# KiCad board Duet3_MB_6HC.kicad_pcb (continued)
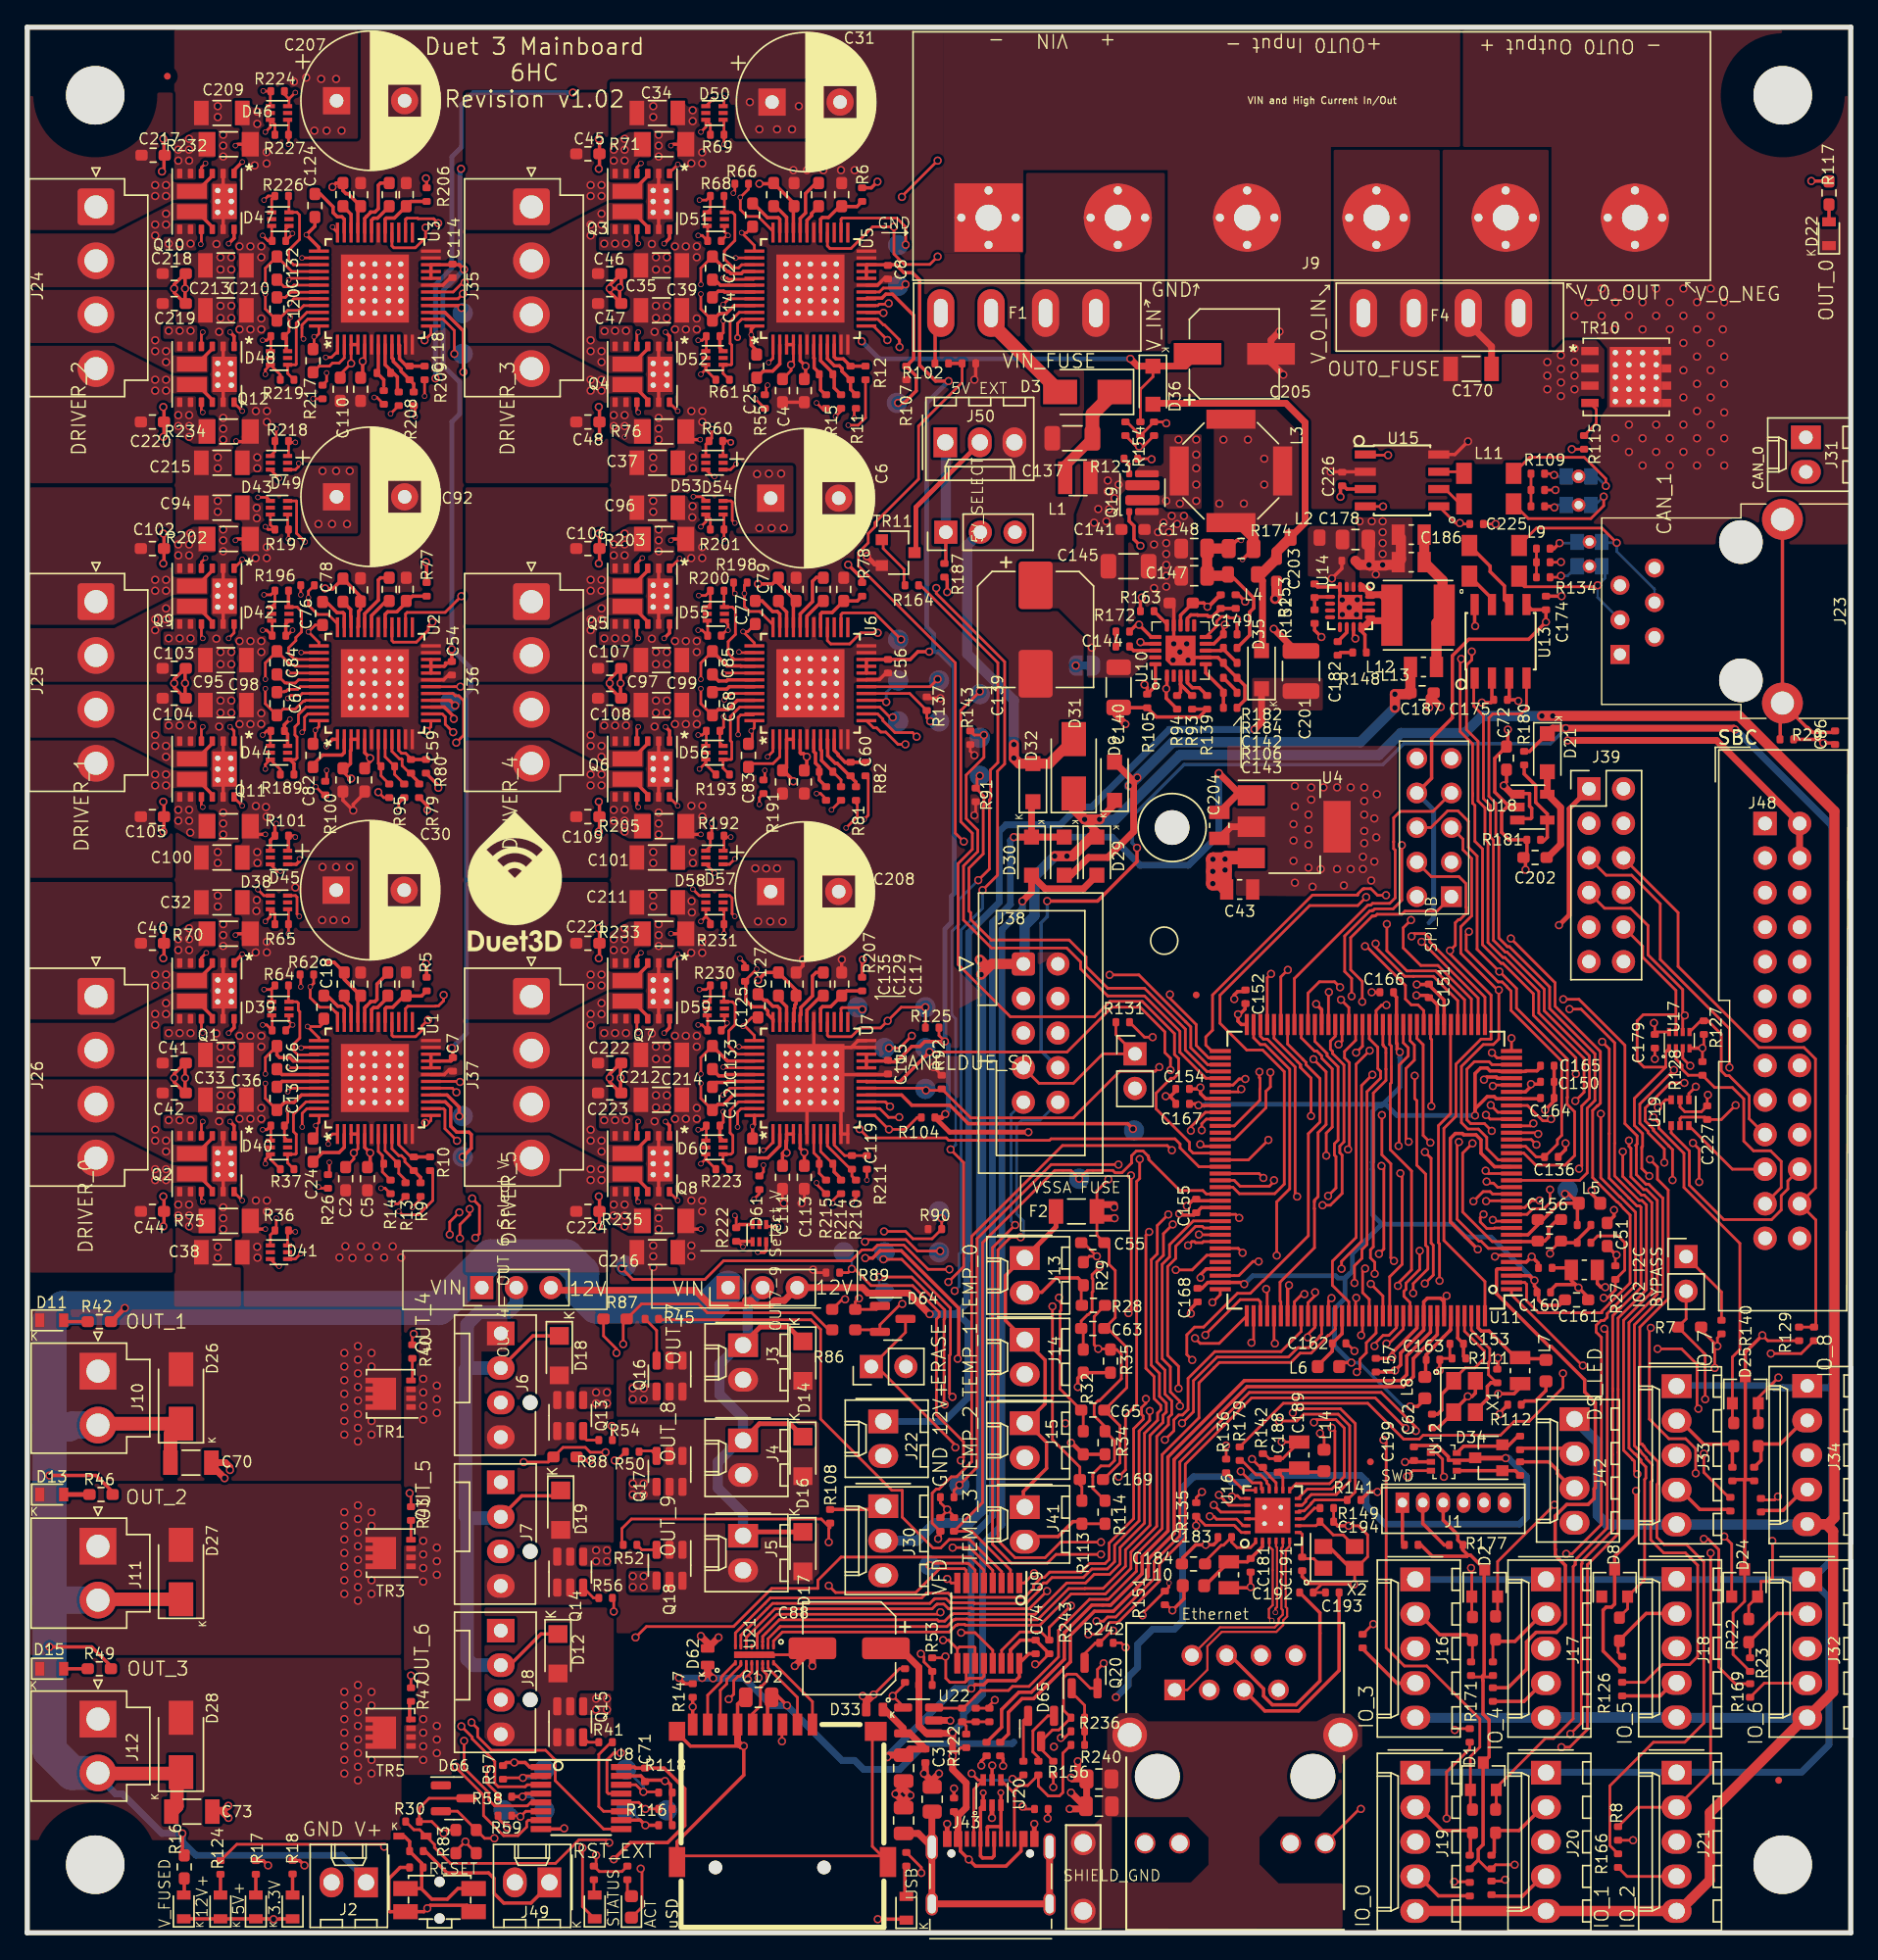
[diagram p0: board, top side]
## Routing (per net, layer and track width the routed paths; a pad name or vN(x,y) marks a point on that pad's centre or on a via; arc(x,y) is an arc through that point) (continued)
PS_ON_BUFF: length 97.4
  Top w0.2: v1(69.89,77.33) 70.7,78.15 70.7,83.23 70.8,83.33 70.8,84.27 70.78,84.28 70.78,85.43 71.33,85.97 71.33,93.31 65.64,99 R164.2 ; v1(67.69,47.81) 68.81,48.93 68.81,56.59 v1(67.85,57.55) ; U9.13 70.95,20.75 69.65,22.05 v1(68.62,22.05)
  In1.Cu w0.2: v1(67.69,47.81) 67.51,47.63 67.51,45.7 65.2,43.39 61.52,43.39 60.58,42.45 60.58,31.09 61.5,30.17 61.5,25.61 66.21,20.9 67.65,20.9 68.62,21.87 v1(68.62,22.05)
  Bottom w0.2: v1(67.85,57.55) 67.88,57.55 68.23,57.9 68.23,67.15 67.95,67.43 67.95,73.58 68.45,74.08 68.45,75.9 v1(69.89,77.33)
PS_ON_SW: length 10.1
  Top w0.35: 70.06,109.5 65.3,104.74 65.3,101.5 TR11.3
QMOSI: length 41.4
  Top w0.2: U11.42 104.59,66.7 104.59,60.19 103.7,59.3 103.7,50.7 103.78,50.62 v1(103.78,47.9) ; v1(104.1,33.5) 104,33.6 104,34.8 103.55,35.25 U12.1
  In1.Cu w0.2: v1(104.1,33.5) 105.48,33.5 109.15,37.18 109.15,42.39 107.27,44.27 107.27,44.73 104.48,47.52 104.02,47.52 103.78,47.77 v1(103.78,47.9)
QSCK: length 37.9
  Top w0.2: v1(101.4,33.53) 101.82,33.95 U12.3 ; v1(100.72,47.53) 100.72,47.7 101.72,48.7 101.72,55.97 100.16,57.53 100.16,62.38 100.24,62.46 100.24,63.46 100.24,63.62 100.24,63.62 100.24,65.14 100.12,65.26 U11.51
  In1.Cu w0.2: v1(101.4,33.53) 102.4,34.53 102.4,35.46 103.06,36.13 103.06,44.73 100.72,47.07 v1(100.72,47.53)
RESET: length 157.5
  Top w0.2: v1(100.43,49.36) 100.2,49.59 100.2,56.5 99.54,57.16 v1(99.54,60.07) ; v1(86.3,58.96) 86.3,59.44 86.64,59.78 U11.83 ; v1(80.2,33.5) 80.7,34 80.7,37.97 81.52,38.79 81.52,55.2 81.75,55.42 v1(81.75,56.84) ; R30.1 28.41,7.57 28.84,7.57 29.92,6.49 29.92,6.27 31.09,5.1 38.82,5.1 40.55,6.83 42.55,6.83 v1(42.76,6.62)
  In1.Cu w0.2: v1(100.43,49.36) 100.57,49.5 103.06,49.5 107.68,44.88 107.68,44.58 109.55,42.71 109.55,34.1 J1.5 J1.4 ; v1(81.75,56.84) 83.41,58.5 84.05,58.5 84.16,58.61 84.62,58.61 84.9,58.33 85.75,58.33 86.3,58.88 v1(86.3,58.96) 87.04,59.7 91.8,59.7 92.14,59.36 92.54,59.36 93.84,60.66 94.97,60.66 95.61,60.02 99.49,60.02 v1(99.54,60.07) ; v1(42.76,6.62) 43.9,6.62 44.55,5.97 48.42,5.97 48.9,6.45 51.32,6.45 51.33,6.44 52.65,6.44 59.81,13.6 59.81,17.87 61.09,19.15 68,19.15 71.45,22.6 77.24,22.6 77.56,22.92 77.61,22.92 78.3,23.61 78.3,24.41 77.2,25.5 77.2,25.7 77.1,25.8 77.1,30.4 v1(80.2,33.5)
RESET_EXT: length 11.6
  Top w0.25: 37.9,3.3 37.9,3.07 37.02,2.19 35.02,2.19 34.3,2.9 34.3,4 33.9,4.4 30.85,4.4 29.25,6 R31.1
RXD0: length 73
  Top w0.2: J28.6 103.15,81.2 104.38,82.43 105.13,82.43 105.9,81.66 105.9,79.75 106.54,79.11 106.54,72.25 v1(108.17,70.62) 108.19,70.62 109.44,69.37 109.44,67.93 113.18,64.19 113.18,61.38 113.16,61.36 113.16,60.87 113.7,60.32 113.7,57.1 113.01,56.4 110.85,56.4 109.97,57.28 U11.21
  In1.Cu w0.2: J38.6 77.27,66.1 82.92,71.75 97.51,71.75 97.85,71.42 100.79,71.42 100.8,71.41 107.38,71.41 v1(108.17,70.62)
RXD1: length 51.7
  Top w0.25: U11.32 108.04,62.78 107.95,62.87 107.24,62.87 v1(107.04,62.67) ; v1(81.25,59.06) 80.86,59.45 69.15,59.45 67.8,60.8 65,60.8 64.25,61.55 U7.16
  In1.Cu w0.25: v1(81.25,59.06) 81.25,59.98 84.03,62.76 87.08,62.76 88.47,61.36 89.82,61.36 90.01,61.56 105.93,61.56 v1(107.04,62.67)
SBC_3.3V: length 7.5
  Top w0.2: U19.5 121.45,59.82 121.55,59.92 123.28,59.92 C227.1 124.49,59.75 v1(125.54,60.8)
  In1.Cu w0.2: J48.17 125.92,61.18 v1(125.54,60.8)
SCK0: length 71.5
  Top w0.2: U11.144 107.12,47.85 104.1,50.86 104.1,59.1 104.99,59.99 104.99,63.82 106.83,65.66 107.57,65.66 107.57,68.89 104.55,71.91 v1(104.55,72.16) 104.94,72.55 104.94,74.21 105.17,74.44 105.28,74.44 105.74,74.9 105.74,75.32 105.72,75.34 105.72,77.08 105.21,77.6 103.17,77.6 J28.4
  In1.Cu w0.2: J38.4 79.26,72.16 97.67,72.16 98.01,71.82 100.95,71.82 100.96,71.81 104.2,71.81 v1(104.55,72.16)
SCK1: length 235.2
  Top w0.2: v1(64.1,116.5) 64.1,117.02 63,118.13 62.92,118.13 62.5,118.55 U5.14 ; U1.14 30.6,60.55 30.7,60.45 30.7,59.07 v1(31.58,58.19) ; U11.46 102.62,67.76 102.2,68.17 101.7,68.17 101.27,68.6 101.27,69.61 98.4,72.48 v1(98.31,72.48) ; U7.14 62.65,60.55 63.29,59.91 64.06,59.91 v1(64.08,59.92) ; U2.14 30.5,89.55 30.72,89.33 30.72,88.78 v1(31.3,88.21) ; v1(31.39,116) 31.39,117.72 30.55,118.55 U3.14 ; U6.14 62.49,89.55 62.87,89.16 62.87,89.06 63.76,88.18 65.06,88.18 v1(65.36,87.88)
  In1.Cu w0.2: v1(31.3,88.21) 31.3,88.4 31.4,88.5 ; 31.4,88.5 30.85,87.95 30.85,87.11 33.97,83.99 33.97,60.58 v1(31.58,58.19) 31.91,58.19 32.66,57.44 32.66,56.82 31.08,55.24 31.08,52.53 31.45,52.16 40.26,52.16 42.6,49.81 44.1,49.81 46.59,47.32 48.96,47.32 50.32,48.68 54.87,48.68 56.38,50.19 58.79,50.19 59.62,51.02 59.78,51.02 62.65,53.89 62.65,59.35 63.22,59.92 v1(64.08,59.92) 64.09,59.94 64.09,65.99 64.73,66.62 64.73,73.1 65.27,73.64 ; 31.4,88.5 31.66,88.5 32.12,88.96 32.12,90.55 31.79,90.87 31.5,90.87 30.52,91.85 30.52,94.62 30.9,95 30.9,98.4 33.6,101.1 33.6,113.97 31.57,116 v1(31.39,116) ; v1(64.1,116.5) 64.1,113.64 63.4,112.94 63.4,102.19 63.49,102.09 63.49,92.03 65.54,89.99 65.54,88.05 v1(65.36,87.88) 65.27,87.79 65.27,73.64 ; v1(98.31,72.48) 98.19,72.6 97.12,72.6 97.03,72.68 97.02,72.68 97.01,72.69 66.23,72.69 65.27,73.64
SD_CD: length 72.1
  Top w0.2: U11.129 99.62,46.79 v1(98.73,47.67) ; v1(67.1,23.55) 66.95,23.4 55.1,23.4 53.64,21.94 53.64,21.7 53.64,21.7 U21.4
  In1.Cu w0.2: v1(98.73,47.67) 98.6,47.67 97.08,49.19 97.08,49.38 96.15,49.38 95.45,48.68 89.07,48.68 87.5,47.11 85.59,47.11 77.98,39.5 72.91,39.5 72.15,40.26 67.89,40.26 65.6,37.97 65.6,25.05 v1(67.1,23.55)
SPI1_DATA_RDY: length 49.9
  Top w0.2: U19.3 120.39,61.2 v1(119.83,60.64) ; U11.7 107.37,50.28 106.84,50.81 106.68,50.81 105.07,52.42 105.07,57.97 v1(105.2,58.1)
  In1.Cu w0.2: v1(105.2,58.1) 106.58,59.48 107.3,59.48 107.31,59.49 107.44,59.49 107.48,59.53 109.76,59.53 111.28,61.05 112.07,61.05 112.62,60.5 114.4,60.5 114.7,60.8 119.67,60.8 v1(119.83,60.64) 119.83,63.24 120.77,64.18 120.77,77.85 117.81,80.81
SPI1_DATA_RDY_BUFF: length 16.6
  Top w0.2: U19.4 120.8,58.78 122.14,57.44 122.14,54.92 124.67,52.4 128.18,52.4 128.89,53.1 128.89,54.16 129.38,54.65 129.38,55.24 J48.22
SPI1_MISO: length 47
  Top w0.2: v1(122.4,58.03) 122.86,57.57 v1(122.86,55.16) ; v1(125.08,63.57) 125.08,66.43 120,71.51 120,75.6 117.9,77.7 116.02,77.7 114.76,78.96 ; U19.1 122.1,61.65 v1(122.61,62.16) ; U11.13 110.04,53.28 110.56,53.8 v1(111.14,53.8)
  In1.Cu w0.2: v1(125.08,63.57) 123.67,62.16 v1(122.61,62.16) 122.4,61.95 v1(122.4,58.03) ; v1(111.14,53.8) 111.34,53.6 116.25,53.6 116.48,53.83 121.53,53.83 v1(122.86,55.16)
SPI1_MISO_BUFF: length 6.9
  Top w0.2: U19.6 125.3,56.1 J48.21
SPI1_MOSI: length 11.9
  Top w0.2: U17.5 122.97,67 R127.1 123.5,67 124.48,66.02 124.48,63.32 124.83,62.97 125.07,62.97 126.54,61.5 126.54,59.8 J48.19
SPI1_MOSI_BUFF: length 51.1
  Top w0.2: v1(121.77,62.44) 120.74,62.44 118.9,60.6 118.9,59.64 119.5,59.04 119.5,58.94 120.9,57.54 v1(120.9,55.3) ; v1(122.2,63.7) 121.65,64.25 U17.3 ; v1(111.9,54.6) 111.9,53.64 111.46,53.2 110.63,53.2 110.21,52.78 U11.12
  In1.Cu w0.2: v1(120.9,55.3) 120.48,54.88 115.45,54.88 115.2,55.13 114.7,55.13 114.45,54.88 112.18,54.88 v1(111.9,54.6) ; 114.76,81.5 116.06,82.8 117.98,82.8 122.4,78.38 122.4,63.9 v1(122.2,63.7) 122.2,62.87 v1(121.77,62.44)
SPI1_NPCS0: length 44.4
  Top w0.2: 117.3,78.96 121.31,74.95 121.31,71 127.26,65.04 130.56,65.04 131.4,64.2 131.4,54.72 J48.24 131.43,52.37 131.43,44.63 R239.1 R129.2
SPI1_SPCK: length 17.2
  Top w0.2: J48.23 128.89,54.75 128.89,56.67 128.11,57.45 126.85,57.45 126.14,58.16 126.14,61.26 125.3,62.1 124,62.1 R128.1 122.05,63 121.6,63.45 121.6,63.73 121.15,64.19 U17.2
SPI1_SPCK_BUFF: length 59.3
  Top w0.2: 114.76,76.42 115.91,75.27 117.83,75.27 119.1,74 119.1,71.84 121.65,69.3 121.65,67.35 ; U17.6 121.65,67.35 ; 121.65,67.35 121.75,67.35 v1(121.8,67.4) ; v1(120.3,56.59) 120.3,57.58 119.1,58.78 119.1,58.88 118.5,59.48 118.5,60.89 v1(121,63.39) ; v1(100.9,55.8) 101.03,55.67 101.03,49.11 100.12,48.2 U11.130
  In1.Cu w0.2: v1(100.9,55.8) 101.1,56 105.6,56 106.7,57.1 107.6,57.1 108.6,56.1 110.5,56.1 110.6,56.2 113.22,56.2 113.82,56.8 114.7,56.8 115.3,56.2 119.91,56.2 v1(120.3,56.59) ; v1(121,63.39) 121.8,64.19 v1(121.8,67.4)
spi1cs0: length 38.3
  Top w0.2: U11.133 101.62,46.31 101.16,46.76 101.16,47.12 101.32,47.28 101.32,47.73 102.32,48.73 v1(102.32,50.1) ; R239.2 130.35,42.55 v1(128.12,42.55)
  In1.Cu w0.2: v1(102.32,50.1) 102.52,49.9 103.23,49.9 107.85,45.28 108.08,45.05 108.08,44.75 110.53,42.3 127.87,42.3 v1(128.12,42.55)
SWCLK: length 144.7
  Top w0.2: D63.1 45.17,1.89 45.17,4.62 v1(45.08,4.71) ; U11.89 89.73,56.78 v1(91.2,58.25) ; v1(101.27,37.08) 99.05,39.3 89.97,39.3 85.1,34.43 85.1,29 83.2,27.1 83.2,25.85 80.15,22.8 79.55,22.8 78.68,21.92 v1(77.98,21.92) ; v1(102.7,47.7) 103.32,48.32 103.32,50.51 103.16,50.67 103.16,56.91 v1(102.71,57.36)
  Top w0.25: J1.2 102.55,30.06 104.12,28.49 104.52,28.49
  In1.Cu w0.2: v1(91.2,58.25) 91.4,58.06 93.39,58.06 94.33,59 101.47,59 102.38,58.09 102.38,57.69 v1(102.71,57.36) ; v1(45.08,4.71) 48.29,4.71 49.23,5.65 50.99,5.65 51.17,5.47 52.81,5.47 60.61,13.27 60.61,17.49 61.48,18.35 68.33,18.35 71.78,21.8 77.85,21.8 v1(77.98,21.92) ; v1(102.7,47.7) 102.7,46.8 106.99,42.51 106.99,35.58 104.78,35.58 103.25,34.05 103.25,32.05 102.8,31.6 J1.2 102.55,31.15 101.6,30.2 100.6,30.2 100.25,30.55 100.25,35.12 101.27,36.14 v1(101.27,37.08)
SWDIO: length 148.6
  Top w0.2: v1(89.21,61.99) 89.01,61.78 U11.79 ; v1(101.84,46.99) 101.84,47.69 102.92,48.77 102.92,50.35 102.76,50.51 102.76,55.74 102.11,56.39 102.11,61.14 101.96,61.29 v1(101.96,62.96) ; D7.1 40.8,1.93 v1(40.8,6.23) ; v1(78.57,22.89) 79.08,22.89 79.39,23.2 79.99,23.2 82.8,26.01 82.8,27.27 84.7,29.16 84.7,34.59 89.8,39.7 99.5,39.7 102.04,37.16 v1(102.04,36.87)
  Top w0.25: 101.22,28.5 101.05,28.66 J1.1
  In1.Cu w0.2: J1.1 101.05,31.85 ; 101.05,31.85 102.8,33.6 102.8,35.3 105.24,37.74 105.24,43.2 101.84,46.59 v1(101.84,46.99) ; 101.05,31.85 100.65,32.25 100.65,34.96 102.04,36.35 v1(102.04,36.87) ; v1(78.57,22.89) 78.15,22.89 77.78,22.52 77.73,22.52 77.4,22.2 71.61,22.2 68.17,18.75 61.31,18.75 60.21,17.65 60.21,13.44 52.82,6.04 51.16,6.04 51.16,6.05 49.06,6.05 48.57,5.55 43.85,5.55 43.38,6.02 42.33,6.02 42.05,6.3 40.87,6.3 v1(40.8,6.23) ; v1(101.96,62.96) 101.03,62.04 99.1,62.04 99.05,62 96.18,62 95.63,62.55 93.01,62.55 92.47,62.01 89.23,62.01 v1(89.21,61.99)
TEMP_0: length 36.3
  Top w0.2: U11.18 107.37,55.78 v1(107.17,55.99) ; 77.42,50.7 77.6,50.7 v1(78.6,49.7) 78.04,49.7 R29.2
  In1.Cu w0.2: v1(107.17,55.99) 106.81,55.99 105.97,55.14 101.65,55.14 101.31,54.8 100.39,54.8 100.05,55.14 92.4,55.14 91.95,54.69 90.13,54.69 89.95,54.87 84.4,54.87 79.23,49.7 v1(78.6,49.7)
TEMP_1: length 40.2
  Top w0.2: v1(107.24,55.19) 107.35,55.08 107.75,55.08 108.04,54.78 U11.16 ; v1(78.8,48.9) 78.25,48.35 78.25,48.09 78.31,48.03 78.31,47.11 78.25,47.05 78.25,45.69 77.96,45.4 77.91,45.4 77.45,44.94 C63.1 77.6,44.25 R32.2
  In1.Cu w0.2: v1(107.24,55.19) 106.58,55.19 106.13,54.74 101.82,54.74 101.48,54.4 100.22,54.4 99.88,54.74 92.57,54.74 92.12,54.29 89.96,54.29 89.83,54.42 84.52,54.42 81.84,51.74 81.84,51.65 79.09,48.9 v1(78.8,48.9)
TEMP_2: length 47.5
  Top w0.2: U11.15 107.67,54.28 107.5,54.45 106.98,54.45 v1(106.27,53.74) ; 77.6,36.9 77.6,38.25 75.9,39.95 75.9,45.66 75.94,45.7 75.94,45.74 75.96,45.76 75.96,46.28 75.9,46.34 75.9,46.58 v1(75.82,46.66)
  In1.Cu w0.2: v1(75.82,46.66) 79.74,46.66 82.98,49.9 85.55,49.9 87.57,51.92 89.33,51.92 89.59,52.18 95.93,52.18 97.65,53.9 99.59,53.9 99.89,53.6 101.81,53.6 102.11,53.9 106.11,53.9 v1(106.27,53.74)
TEMP_3: length 52.7
  Top w0.2: R113.2 77.5,32.77 77.35,32.92 C169.1 77.35,34.22 75.34,36.23 v1(75.34,46.02) ; v1(107.2,53.75) 107.23,53.78 U11.14
  In1.Cu w0.2: v1(107.2,53.75) 107.12,53.75 106.87,53.5 106.87,53.49 106.52,53.14 106.02,53.14 105.67,53.49 105.67,53.5 102.27,53.5 101.98,53.2 99.72,53.2 99.43,53.5 97.81,53.5 96.09,51.78 89.75,51.78 89.49,51.52 87.73,51.52 85.71,49.5 83.22,49.5 79.74,46.02 v1(75.34,46.02)
THERMISTOR_0: length 6.7
  Top w0.2: R29.1 77.45,47.41 77.45,46.1
  Top w0.25: 73.2,47.06 74.55,47.06 75.6,48.11 77.2,48.11 77.61,47.7 R29.1
THERMISTOR_1: length 7.7
  Top w0.25: v1(77.2,40.1) 77.2,40.75 R32.1 R35.2
  In1.Cu w0.25: v1(77.2,40.1) 77.2,40.23 76.37,41.06 73.2,41.06
THERMISTOR_2: length 8
  Top w0.25: 77.6,35.2 76.8,36 v1(76.7,36) 77.55,35.15 R34.2
  In1.Cu w0.25: 73.2,34.96 75.66,34.96 v1(76.7,36)
THERMISTOR_3: length 5.9
  Top w0.2: R113.1 R114.2
  Top w0.25: 73.55,29.11 75.75,29.11 76.85,30.21 77.3,30.21
TXD0: length 69.6
  Top w0.2: U11.20 108.09,56.78 107.25,57.62 107.25,58.43 106.63,59.05 105.86,59.05 105.39,59.52 105.39,63.66 106.99,65.26 107.73,65.26 108.14,65.66 v1(108.14,69.26) 108.05,69.26 105.34,71.97 105.34,73.91 106.14,74.71 106.14,78.93 105.5,79.57 105.5,80.35 J28.5
  In1.Cu w0.2: v1(108.14,69.26) 106.39,71.01 97.69,71.01 97.36,71.34 83.08,71.34 76.69,64.95 74.35,64.95 J38.5
TXD1: length 85.2
  Top w0.25: U11.105 86.64,48.78 86.22,48.35 v1(86.22,48.13) ; v1(61.58,49.57) 62.13,49.57 62.66,50.1 64.24,50.1 68.45,45.89 68.45,42.25 v1(68.37,42.17) ; v1(32,57) 32.63,57.64 32.63,58.65 32.46,58.82 31.56,58.82 31.12,59.26 31.12,60.65 30.71,61.05 U1.15
  In1.Cu w0.25: v1(32,57) 30.42,55.43 30.42,50.65 31.15,49.93 39.6,49.93 44.1,45.42 57.21,45.42 58.15,46.36 58.15,47.66 59.53,49.03 59.53,49.19 60.13,49.79 61.36,49.79 v1(61.58,49.57) ; v1(68.37,42.17) 68.42,42.22 74.02,42.22 74.74,41.51 76.55,41.51 76.61,41.45 79.32,41.45 85.99,48.13 v1(86.22,48.13)
U0_CS0: length 27.2
  Top w0.2: U11.73 87.04,64.78 86.61,65.22 86.61,65.82 87.1,66.31 87.1,68.9 94.44,76.24 97.76,76.24 97.79,76.27 97.79,76.34 98.14,76.69 98.21,76.69 98.23,76.71 98.74,76.71 99.22,76.23 v1(99.85,76.23)
  In1.Cu w0.2: J28.3 103.37,77.38 101.34,77.38 100.19,76.23 v1(99.85,76.23)
U0_CS1: length 43.8
  Top w0.2: v1(98.1,68.4) 98.1,69.9 97.25,70.75 97.25,73.11 98.83,74.69 98.97,74.69 98.99,74.71 99.07,74.71 99.19,74.83 101.01,74.83 101.24,75.06 103.59,75.06 J28.1 ; U11.114 92.12,46.36 92.06,46.41 92.06,47.8 94.59,50.33 94.59,53.19 94.58,53.2 94.58,53.7 94.59,53.71 94.59,53.81 94.86,54.08 94.86,58.79 95.44,59.38 95.44,63.25 v1(94.52,64.18)
  In1.Cu w0.2: v1(94.52,64.18) 94.76,63.94 98.04,63.94 98.16,64.06 98.77,64.06 99.28,64.57 99.28,67.22 v1(98.1,68.4)
U0_CS2: length 24.2
  Top w0.2: U11.65 93.12,70.11 98.5,75.49 98.64,75.49 98.66,75.51 98.74,75.51 98.86,75.63 100.12,75.63 100.52,76.03 100.52,79.54 100.41,79.66 100.41,80.15 100.41,80.16 100.41,81.92 100.88,82.39 103.3,82.39 J28.7
U0_CS3: length 48.4
  Top w0.2: v1(98.64,64.81) 97.65,63.82 97.65,51.09 95.91,49.34 95.91,47.56 97.12,46.36 U11.124 ; v1(97.32,68.81) 97.32,70.12 96.81,70.62 96.81,73.24 98.67,75.09 98.8,75.09 98.82,75.11 98.9,75.11 99.02,75.23 100.38,75.23 101.01,75.86 101.01,79.9 v1(101.01,79.9)
  In1.Cu w0.2: v1(101.01,79.9) 101.01,79.91 101.01,84.14 101.85,84.98 103.35,84.98 J28.9 ; v1(97.32,68.81) 97.32,66.13 v1(98.64,64.81)
U0_CS4: length 41.5
  Top w0.2: v1(95.65,69.11) 95.62,69.08 U11.60
  In1.Cu w0.2: v1(95.65,69.11) 95.05,69.71 82.05,69.71 76.89,64.55 76.89,60.54 76.22,59.87 76,59.87 74.84,59.87 72.72,59.87 72.05,60.54 72.05,67.49 J38.3
URXD4: length 29.7
  Top w0.2: U11.69 91.12,70.17 v1(91.4,70.45)
  In1.Cu w0.2: v1(91.4,70.45) 91.74,70.11 99.34,70.11 101.62,67.82 111.24,67.82 114.76,71.34
USB_PWR_EN: length 78.5
  Top w0.2: 98.08,49.98 98.08,50.19 98.45,50.56 98.45,61.8 99.45,62.79 99.45,63.29 99.24,63.49 99.24,65.06 98.62,65.68 U11.54 ; 98.08,49.98 98.08,49.56 ; 98.08,49.98 98.08,49.55 97.53,49 v1(97.53,47.74) ; 64.4,18.4 64.4,18.2 v1(63.6,17.4) 64.36,16.64 U22.4
  In1.Cu w0.2: v1(63.6,17.4) 67.94,17.4 71.75,21.2 78.1,21.2 79.17,22.27 79.17,24.3 77.5,25.97 77.5,29.73 82.41,34.64 82.41,36.52 84.1,38.21 84.1,38.94 84.45,39.3 85.52,39.3 88.96,42.74 88.96,43.76 89.57,44.37 90.77,44.37 91.1,44.7 93.2,44.7 95.24,46.74 95.24,46.88 96.1,47.74 v1(97.53,47.74)
USB_STATE: length 50.5
  Top w0.2: U11.120 95.12,43.98 94.95,43.82 94.95,43.76 94.18,42.98 93.37,42.98 92.68,42.3 87.43,42.3 85.7,40.57 85.7,38.28 v1(84.86,37.44) ; v1(79.1,19.8) 78.65,19.35 Q20.2 78.12,17.96 77.09,19 76.41,19 76.15,18.74 76.15,16.35 R236.1 75.8,14.9 75.34,14.9 D65.3 74.5,13.5 R241.1
  In1.Cu w0.2: v1(84.86,37.44) 84.86,35.96 78.3,29.4 78.3,26.34 80.5,24.14 80.5,21.6 79.1,20.2 v1(79.1,19.8)
USB_UFP_DETECT: length 36.9
  Top w0.2: v1(83.6,36.22) 84.26,36.88 84.26,37.69 84.61,38.04 84.89,38.04 85.3,38.45 85.3,40.73 87.27,42.7 92.13,42.7 93.62,44.18 U11.117 ; Q20.3 77.7,20.5 78.5,21.3 R242.1 79.7,22.2 v1(79.8,22.2)
  In1.Cu w0.2: v1(79.8,22.2) 79.8,24.24 77.9,26.13 77.9,29.57 83.6,35.26 v1(83.6,36.22)
UTXD4: length 30.9
  Top w0.2: U11.67 92.12,70.23 v1(92.63,70.74)
  In1.Cu w0.2: v1(92.63,70.74) 92.79,70.9 97.17,70.9 97.46,70.61 99.43,70.61 99.43,70.6 101.77,68.26 110.92,68.26 113.36,70.7 113.36,72.48 114.76,73.88
V_FUSED: length 244.9
  Top w0.25: v1(1.64,21) 4.74,21 6.18,19.56 6.18,19.4 ; 6.3,32.2 6.3,32.37 5.07,33.6 v1(1.64,33.6) ; 11.54,5.72 11.4,5.85 v1(11.4,7.3) ; Q12.11 14.4,113.3 Q12.14 ; Q8.11 46.4,55.3 Q8.14 ; Q5.14 46.4,99.4 Q5.2 ; Q12.14 14.4,115.5 Q12.2 ; v1(53.7,70) 54.25,70.55 C127.2 56.5,69.25 56.5,68.27 56.4,68.17 56.4,67.95 56.36,67.91 56.36,67.59 56.35,67.59 56.35,66.96 U7.33 ; Q10.2 14.4,128.4 Q10.14 ; 66.72,115.3 66.72,118.59 F1.1 ; U5.33 56.3,127.1 C21.2 54.8,128.5 v1(53.8,128.5) ; C28.1 24.3,68.65 U1.33 ; C28.1 23.35,70 ; C28.1 23.3,70.05 C20.2 22.55,71.3 v1(21.8,71.3) ; Q4.14 46.4,113.3 Q4.11 ; Q3.2 46.4,128.4 Q3.14 ; Q6.11 46.4,84.3 Q6.14 ; Q1.2 14.4,70.4 Q1.14 ; Q1.14 14.4,68 Q1.11 ; Q2.14 14.4,57.7 Q2.2 ; Q5.14 46.4,97.2 Q5.11 ; Q11.11 14.4,85.4 Q11.14 14.4,85.6 Q11.2 ; Q7.2 46.4,70.2 Q7.14 ; Q9.11 14.4,98.1 Q9.14 14.4,98.3 Q9.2 ; Q8.2 46.4,57.5 Q8.14 ; Q2.14 14.4,55.3 Q2.11 ; Q3.11 46.4,126.2 Q3.14 ; v1(22.43,128.26) 22.43,128.28 22.7,128.55 C126.2 23.2,128 23.43,127.77 23.58,127.77 C134.1 24.3,126.65 U3.33 ; U2.33 24.35,95.96 24.35,97.09 24.49,97.23 24.49,98.18 24.03,98.63 24.03,98.66 C78.2 22.44,98.73 21.92,98.73 v1(21.89,98.77) ; Q6.2 46.4,86.7 Q6.14 ; U6.33 56.3,97.65 C91.1 55.2,99.15 C79.2 54.75,99.1 v1(53.7,99.1) ; Q10.11 14.4,126.2 Q10.14 ; Q4.2 46.4,115.7 Q4.14 ; Q7.11 46.4,68 Q7.14
  Top w0.35: 6.18,44.9 6.18,44.91 v1(7.17,45.9)
  Top w1: 11.2,11.7 5.24,11.7 J12.2 ; F1.1 70.83,118.25 75.88,113.2 ; 10.52,34.54 10.52,36.62 D26.1 5.3,37.4 J10.2 ; J11.2 5.26,24.5 11,24.5 ; C73.1 11,9.31 11,11.5
  Top w1.5: 70.7,118.26 70.7,119.01
  Bottom w0.5: 5.1,11.6 6.5,10.2 7,10.2 9.9,7.3 v1(11.4,7.3) 11.4,6.7 12.4,5.7 23.13,5.7 24.9,3.93 J2.1
  Bottom w2: 1.64,37.1 3.09,37.1 3.29,37.3 J10.2 ; J11.2 1.68,24.44 1.64,24.4
  Bottom w2.5: J12.2 3.29,11.74 1.64,13.39 v1(1.64,21) v1(1.64,33.6) 1.64,44.93 2.61,45.9 30.25,45.9 34.05,49.7 39.58,49.7 40.78,48.5 40.78,47.04 41.81,46.01 50.11,46.01 J29.1
  vias: v1(13.91,124.07) v1(13.9,95.08) v1(13.9,66.08) v1(14,134.2) v1(14,133.4) v1(14,108.4) v1(14,107.6) v1(14,105.2) v1(14,104.4) v1(14,79.4) v1(14,78.6) v1(14,76.2) v1(14,75.4) v1(14,50.4) v1(14,49.6) v1(14.1,117.62) v1(14.1,88.62) v1(14.1,59.62) v1(14.2,123.1) v1(14.2,122.2) v1(14.2,119.53) v1(14.2,118.63) v1(14.2,94.1) v1(14.2,93.2) v1(14.2,90.53) v1(14.2,89.63) v1(14.2,65.1) v1(14.2,64.2) v1(14.2,61.53) v1(14.2,60.63) v1(14.4,132.1) v1(14.4,131.3) v1(14.4,130.5) v1(14.4,111.3) v1(14.4,110.5) v1(14.4,109.7) v1(14.4,103.1) v1(14.4,102.3) v1(14.4,101.5) v1(14.4,82.3) v1(14.4,81.5) v1(14.4,80.7) v1(14.4,74.1) v1(14.4,73.3) v1(14.4,72.5) v1(14.4,53.3) v1(14.4,52.5) v1(14.4,51.7) v1(15,123.1) v1(15,122.2) v1(15,119.53) v1(15,118.63) v1(15,94.1) v1(15,93.2) v1(15,90.53) v1(15,89.63) v1(15,65.1) v1(15,64.2) v1(15,61.53) v1(15,60.63) v1(19.6,136) v1(19.7,76.8) v1(20.5,136.3) v1(21.1,132.4) v1(21.4,103.5) v1(21.6,136.2) v1(21.7,107.4) v1(21.7,78.3) v1(21.67,74.4) v1(22,132.4) v1(22.4,103.5) v1(22.5,74.4) v1(22.7,136.2) v1(22.7,107.4) v1(22.7,78.3) v1(23.1,132.4) v1(23.4,74.4) v1(23.5,103.5) v1(23.7,107.4) v1(23.7,78.3) v1(45.9,124.08) v1(45.9,95.08) v1(45.9,66.08) v1(46,134.2) v1(46,133.4) v1(46,108.4) v1(46,107.6) v1(46,105.2) v1(46,104.4) v1(46,79.4) v1(46,78.6) v1(46,76.2) v1(46,75.4) v1(46,50.49) v1(46,49.7) v1(46,48.9) v1(46.1,117.62) v1(46.1,88.62) v1(46.1,59.62) v1(46.2,123.1) v1(46.2,122.2) v1(46.2,119.53) v1(46.2,118.63) v1(46.2,94.1) v1(46.2,93.2) v1(46.2,90.53) v1(46.2,89.63) v1(46.2,65.1) v1(46.2,64.2) v1(46.2,61.53) v1(46.2,60.63) v1(46.4,132.1) v1(46.4,131.3) v1(46.4,130.5) v1(46.4,111.3) v1(46.4,110.5) v1(46.4,109.7) v1(46.4,103.1) v1(46.4,102.3) v1(46.4,101.5) v1(46.4,82.3) v1(46.4,81.5) v1(46.4,80.7) v1(46.4,74.1) v1(46.4,73.3) v1(46.4,72.5) v1(46.4,53.3) v1(46.4,52.5) v1(46.4,51.7) v1(47,123.1) v1(47,122.2) v1(47,119.53) v1(47,118.63) v1(47,94.1) v1(47,93.2) v1(47,90.53) v1(47,89.63) v1(47,65.1) v1(47,64.2) v1(47,61.53) v1(47,60.63) v1(53.1,134.5) v1(53.5,78.2) v1(53.63,107.17) v1(53.7,74.3) v1(53.8,132.5) v1(53.8,103.2) v1(54.3,78.2) v1(54.5,107.2) v1(54.6,74.3) v1(54.7,103.2) v1(55.1,132.5) v1(55.1,78.2) v1(55.4,107.2) v1(55.5,74.3) v1(55.6,103.2) v1(56.2,132.5) v1(56.7,134.2)
V_OUT0_OUT: length 34.7
  Top w0.25: 132.4,128.7 v1(131.1,128.7)
  Top w0.5: F4.2 105.89,118.25 107.61,116.53 C170.1
  In1.Cu w0.25: 106.65,126 109.7,126 ; F4.2 110.84,119 114.44,122.6 120.1,122.6 126.2,128.7 v1(131.1,128.7)
V_OUTLC1: length 53.1
  Top w0.25: J7.2 36.34,32.1 39.08,32.1 39.1,32.12 ; J8.2 35.46,19.66 37.75,21.95 D12.1 ; D18.1 37.16,43.85 J6.2
  Bottom w1: 32.33,30.5 32.2,30.63 32.2,41.37 32.33,41.5 ; 32.33,30.5 32.37,30.46 34.8,30.46 ; 32.33,30.5 32.33,20.12 32.78,19.66 J8.2 ; 32.33,41.5 32.33,44.7 33.23,45.6 35.34,45.6 35.94,46.2 J52.2 ; 32.33,41.5 32.33,41.49 J6.2
V_OUTLC2: length 37.3
  Top w0.35: 52.6,29.2 52.85,29.45 D17.1 ; D16.1 56.05,37.4 53.8,37.4 52.6,36.2 ; 52.55,43.2 53.85,44.5 55.95,44.5 D14.1
  Bottom w0.75: 54.2,47.4 52.94,46.14 52.94,43.59 52.55,43.2 52.32,43.2 50.87,41.75 50.87,39.55 52.6,37.82 52.6,36.2 52.37,36.2 50.75,34.58 50.75,32.67 52.6,30.82 52.6,29.2
VREF_MON: length 63.7
  Top w0.2: U11.11 107.78,52.28 v1(107.69,52.37) ; R28.1 78.65,45.55 78.65,45.53 78.4,45.28 78.4,43.2 v1(78.7,42.9) 79.55,42.9 R35.1 80.05,42.85 80.4,42.5 80.4,40.7 78.8,39.1 78.69,39.1 78.4,38.81 78.4,37.99 79.4,36.99 ; R114.1 78.3,32.65 78.3,33.71 78.89,34.3 79.51,34.3 79.9,34.69 79.9,36.15 R34.1 ; v1(111.9,49.9) 111.9,50.06 112.66,50.82
  Top w0.25: 113.93,50.7 113.93,50.93 114.88,51.88 114.88,52 ; 113.82,50.7 112.84,50.7 112.72,50.82
  In1.Cu w0.2: v1(111.9,49.9) 109.78,52.02 108.04,52.02 v1(107.69,52.37) 107.47,52.14 106.36,52.14 105.47,53.03 102.37,53.03 102.14,52.8 99.56,52.8 99.33,53.03 97.9,53.03 96.26,51.38 89.92,51.38 89.66,51.12 87.9,51.12 85.88,49.1 85.66,49.1 79.46,42.9 v1(78.7,42.9)
VREFN: length 70.5
  Top w0.2: C169.2 79.07,33.3 80.3,34.53 80.3,37.25 C65.2 80.8,40.05 80.8,43 79.4,44.4 C63.2 79.95,45.2 79.95,48.65 79.5,49.1 79.5,50.35 C55.2 78.61,51.25 F2.2 78.61,54.51 v1(79.45,55.35) ; U11.8 107.65,50.78 105.48,52.96 105.48,57.28 v1(106.2,58)
  Top w0.25: 110.95,50.82 111.5,50.82 111.8,51.12 111.8,51.75 112.45,52.4 C156.2 ; U11.8 110.94,50.78 110.97,50.82
  In1.Cu w0.2: v1(106.2,58) 105.58,57.38 104.95,57.38 102.92,59.41 94.17,59.41 93.27,58.51 91.83,58.51 91.46,58.87 90.94,58.87 89,56.93 84.39,56.93 84.36,56.9 83.87,56.9 83.84,56.93 83.34,56.93 81.43,55.01 79.79,55.01 v1(79.45,55.35)
VREFP: length 8.6
  Top w0.25: U11.9 110.27,51.28 111,52.01 C156.1 111.39,52.4 112.59,53.6 113.95,53.6 113.27,54.28 v1(113,54.28) ; 113.91,52 113.91,53.23 113.89,53.25
~{FLG}: length 48.6
  Top w0.2: U22.3 66.69,16.5 R244.2 68.79,16.5 69.65,17.36 69.65,17.37 70,17.73 70.01,17.73 70.09,17.8 72.1,17.8 72.4,18.1 73.61,18.1 75.78,20.27 75.78,22.22 78.06,24.5 79.44,24.5 81.5,26.56 81.5,27.8 83.4,29.7 83.4,35.13 86.1,37.83 86.1,40.4 87.2,41.5 87.2,41.5 87.6,41.9 92.85,41.9 93.53,42.59 94.34,42.59 95.35,43.59 95.35,43.65 95.6,43.9 95.66,43.9 96.12,44.36 U11.122
Net-(C144-Pad2): length 1.1
  Top w0.25: R172.1 C144.2
Net-(C182-Pad1): length 1.2
  Top w0.25: R148.1 96.5,94.06 C182.1
Net-(C192-Pad1): length 16.5
  Top w0.25: C192.1 94.99,23.51 94.99,18.5 93.24,16.75 91.49,16.75 90.85,17.39 90.85,17.93 88.4,20.38 J46.4
Net-(C193-Pad1): length 14.6
  Top w0.25: C193.1 96.4,19.27 93.43,16.3 90.94,16.3 J46.5
Net-(D4-Pad2): length 1.2
  Top w0.25: 11.54,3.97 11.54,2.81 D4.2
Net-(D5-Pad2): length 1.5
  Top w0.25: 16.8,4.31 D5.2
Net-(D6-Pad2): length 1.6
  Top w0.25: 19.5,4.34 D6.2
Net-(D7-Pad2): length 1.1
  Top w0.2: R21.2 41.64,2.84 D7.2
Net-(D11-Pad2): length 1.8
  Top w0.25: 4.43,44.9 2.77,44.9 D11.2
Net-(D13-Pad2): length 1.9
  Top w0.35: D13.2 4.55,32.2
Net-(D15-Pad2): length 1.8
  Top w0.25: 4.43,19.4 D15.2
Net-(D22-Pad2): length 1.2
  Top w0.25: 132.4,126.95 D22.2
Net-(D23-Pad2): length 2.3
  Top w0.25: R130.2 64.5,4.8 64.5,2.78 D23.2
Net-(D37-Pad2): length 1.5
  Top w0.25: R124.2 D37.2
Net-(D63-Pad2): length 1.3
  Top w0.2: R132.2 44.1,2.99 D63.2
Net-(JP5-Pad1): length 5.8
  Top w0.2: R140.1 124.5,47.07 JP5.1
Net-(L7-Pad2): length 2.8
  Top w0.25: R112.2 110.05,39.07 110.83,39.07 111.6,39.84 111.6,40.43
Net-(R136-Pad2): length 2.7
  Top w0.2: U16.18 89.38,32.52 R136.2

## Copper pours and planes (outline as drawn; the poured copper is in the pictures)
12V_EXT on Top: 95.2,89.8 90,89.8 90,92.2 95.2,92.2
